# Altium PCB PCB2.PcbDoc (part 12 of 16)
Units mil, origin at the board's own origin, x right, y up, seen from the top; angles counter-clockwise.
Board outline 9200.79 x 4350.6 mil, 4 copper layers (Top Layer, Layer 1, Layer 2, Bottom Layer), stack 23.756 mil thick; 1249 components, 1355 nets, 4549 pads, 1316 vias.
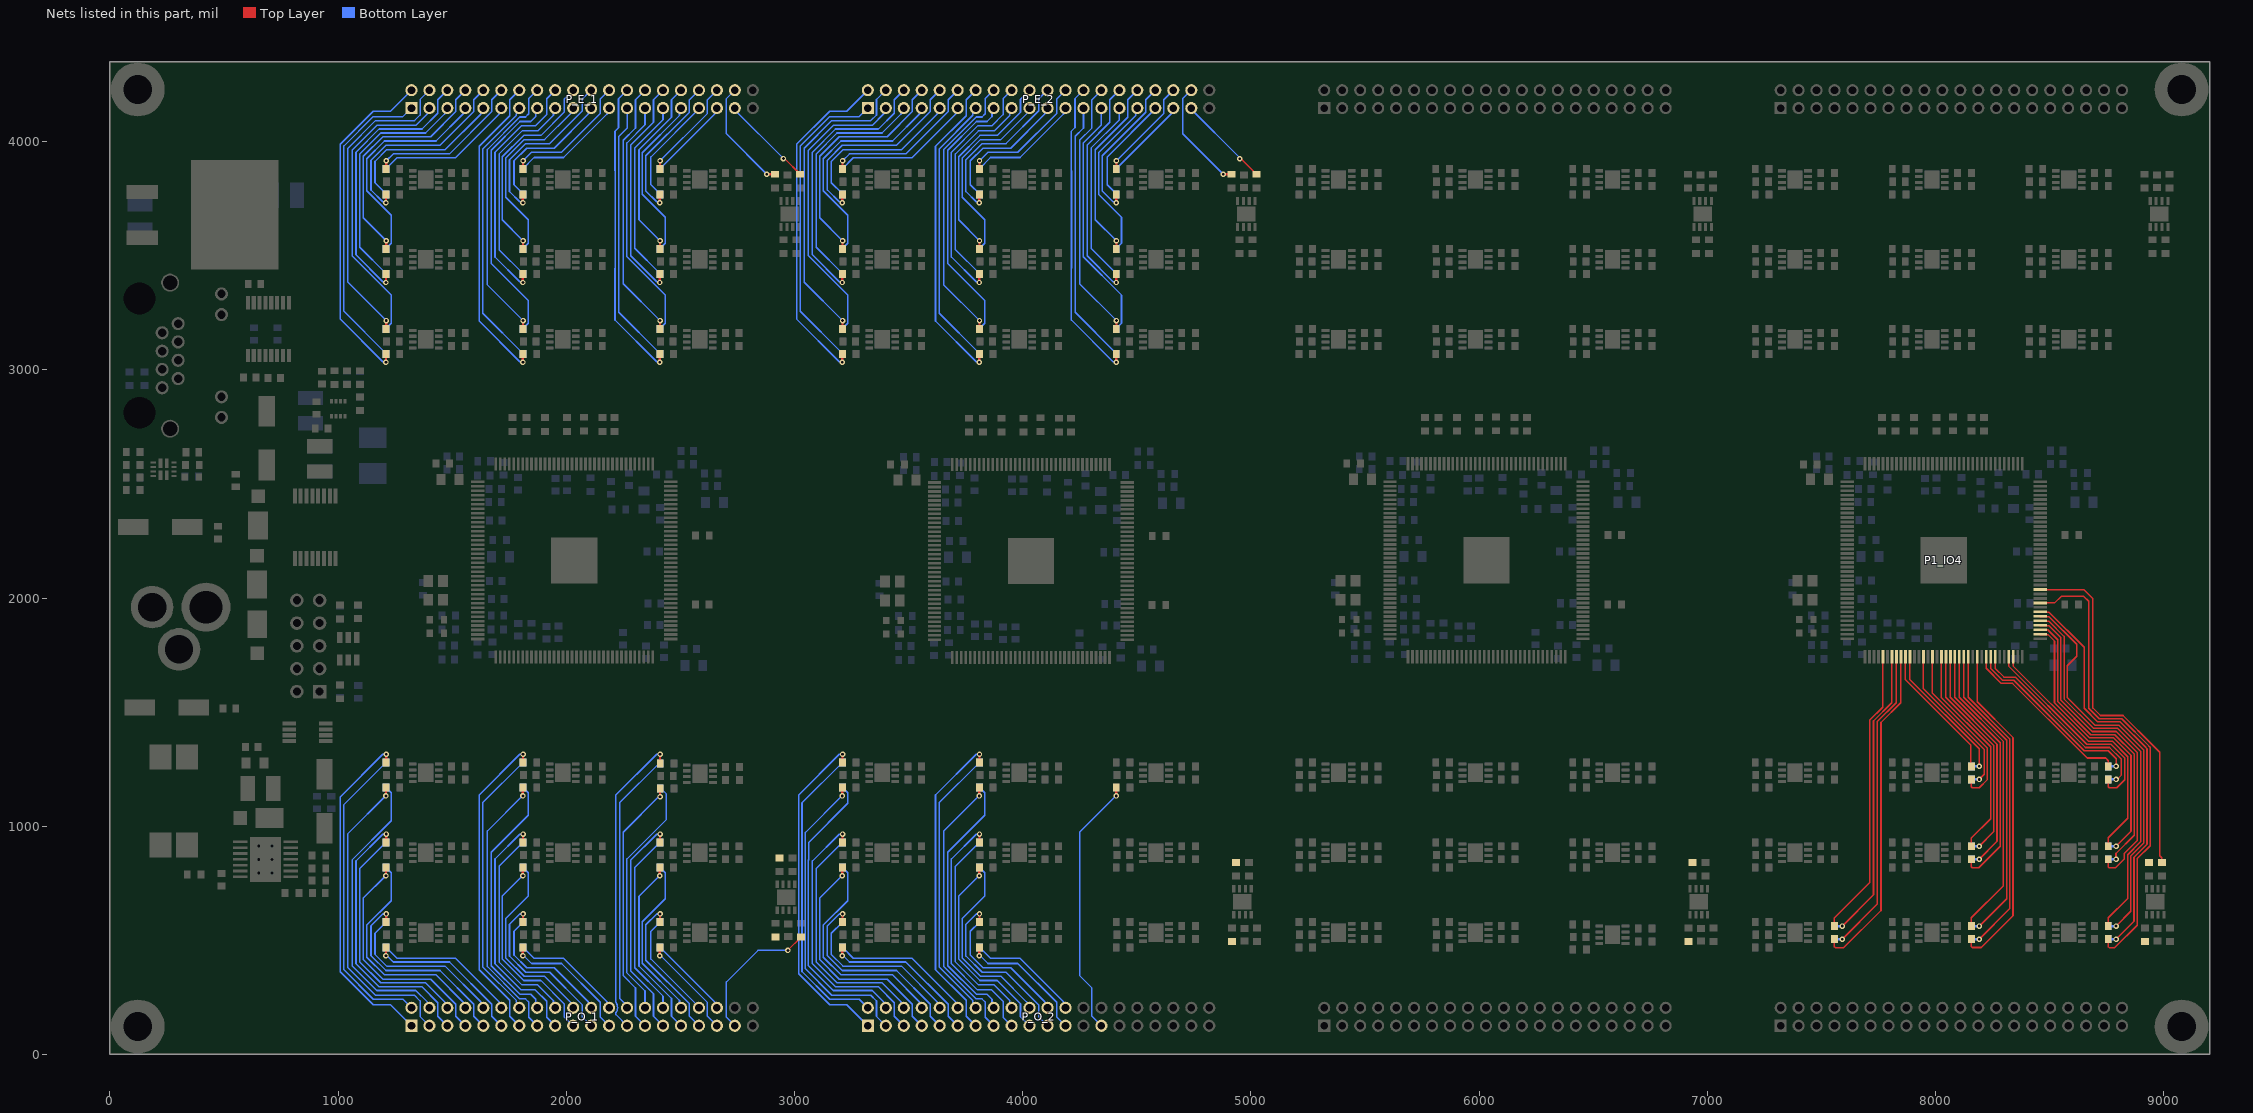
[diagram p14: the nets of this part, all layers, seen from the top]

## Via types
v1: diameter 24, hole 12, Top Layer to Bottom Layer, 1316 vias

## Nets (pads, with @x,y where several pads share a name; then routed paths per layer and width w, separated by ;. In a path a pad name is that pad's centre, name@x,y a point inside that pad or via, vN(x,y) a via of type N, cw(c..) or ccw(c..) an arc to the next point about the centre after c; other vN are vias at no path point) (continued)
V_F4_IN47: P1_IO4.45 R26_U_VoltageAmplifier244.1 | length 1453.4
  Top Layer w7: R26_U_VoltageAmplifier244.1@7556.63,504.72 7556.63,472.28 7560.73,468.18 7598.38,468.18 7760.97,630.78 7760.97,1454.47 7847.72,1541.22 P1_IO4.45@7847.72,1741.78
  Top Layer w10: R26_U_VoltageAmplifier244.1@7556.63,504.72 R26_U_VoltageAmplifier244.1@7557.09,505.18
V_F4_IN48: P1_IO4.41 R28_U_VoltageAmplifier244.1 | length 1267.4
  Top Layer w7: R28_U_VoltageAmplifier244.1@7557.09,562.18 7557.09,598.26 7712.16,753.33 7712.16,1465.05 7768.98,1521.87 P1_IO4.41@7768.98,1741.78
V_F4_IN49: P1_IO4.43 R26_U_VoltageAmplifier254.1 | length 1303.6
  Top Layer w7: v1(7591.09,562.18) 7728.27,699.37 7728.27,1461.37 7808.35,1541.45 P1_IO4.43@7808.35,1741.78
  Bottom Layer w10: R26_U_VoltageAmplifier254.1@7557.09,562.18 v1(7591.09,562.18)
V_F4_IN50: P1_IO4.44 R28_U_VoltageAmplifier254.1 | length 1368.7
  Top Layer w7: v1(7591.09,505.18) 7745.06,659.15 7745.06,1458.36 7828.03,1541.33 P1_IO4.44@7828.03,1741.78
  Bottom Layer w10: R28_U_VoltageAmplifier254.1@7557.09,505.18 v1(7591.09,505.18)
V_F4_IN51: P1_IO4.52 R26_U_VoltageAmplifier264.1 | length 757
  Top Layer w7: P1_IO4.52@7985.51,1741.78 7985.51,1584.06 8227.59,1341.99 8227.59,1204.55 8191.68,1168.64 8161.19,1168.64 8157.09,1172.74 R26_U_VoltageAmplifier264.1@8157.09,1205.18
V_F4_IN52: P1_IO4.46 R28_U_VoltageAmplifier264.1 | length 599.6
  Top Layer w7: P1_IO4.46@7867.4,1741.78 7867.4,1642.77 8154.65,1355.53 8154.65,1264.62 R28_U_VoltageAmplifier264.1@8157.09,1262.18
V_F4_IN53: P1_IO4.47 R26_U_VoltageAmplifier274.1 | length 639.5
  Top Layer w7: P1_IO4.47@7887.09,1741.78 7887.09,1642.89 8191.09,1338.89 v1(8191.09,1262.18)
  Bottom Layer w10: R26_U_VoltageAmplifier274.1@8157.09,1262.18 v1(8191.09,1262.18)
V_F4_IN54: P1_IO4.50 R28_U_VoltageAmplifier274.1 | length 690.7
  Top Layer w7: P1_IO4.50@7946.14,1741.78 7946.14,1603.63 8213.59,1336.19 8213.59,1227.68 v1(8191.09,1205.18)
  Bottom Layer w10: R28_U_VoltageAmplifier274.1@8157.09,1205.18 v1(8191.09,1205.18)
V_F4_IN55: P1_IO4.57 R26_U_VoltageAmplifier284.1 | length 1112.8
  Top Layer w7: P1_IO4.57@8083.94,1741.78 8083.94,1564.83 8283.59,1365.18 8283.59,912.45 8189.32,818.18 8160.73,818.18 8156.63,822.28 R26_U_VoltageAmplifier284.1@8156.63,854.72
  Top Layer w10: R26_U_VoltageAmplifier284.1@8156.63,854.72 R26_U_VoltageAmplifier284.1@8157.09,855.18
V_F4_IN56: P1_IO4.54 R28_U_VoltageAmplifier284.1 | length 954.4
  Top Layer w7: P1_IO4.54@8024.89,1741.78 8024.89,1564.49 8241.59,1347.79 8241.59,1032.76 8157.09,948.26 R28_U_VoltageAmplifier284.1@8157.09,912.18
V_F4_IN57: P1_IO4.55 R26_U_VoltageAmplifier294.1 | length 977.7
  Top Layer w7: P1_IO4.55@8044.57,1741.78 8044.57,1564.6 8255.59,1353.59 8255.59,976.68 v1(8191.09,912.18)
  Bottom Layer w10: R26_U_VoltageAmplifier294.1@8157.09,912.18 v1(8191.09,912.18)
V_F4_IN58: P1_IO4.56 R28_U_VoltageAmplifier294.1 | length 1038.2
  Top Layer w7: P1_IO4.56@8064.26,1741.78 8064.26,1564.72 8269.59,1359.39 8269.59,933.68 v1(8191.09,855.18)
  Bottom Layer w10: R28_U_VoltageAmplifier294.1@8157.09,855.18 v1(8191.09,855.18)
V_F4_IN59: P1_IO4.62 R26_U_VoltageAmplifier304.1 | length 1473.6
  Top Layer w7: R26_U_VoltageAmplifier304.1@8157.09,505.18 8157.09,472.74 8161.19,468.64 8200.73,468.64 8339.59,607.5 8339.59,1388.38 8182.37,1545.6 P1_IO4.62@8182.37,1741.78
V_F4_IN60: P1_IO4.58 R28_U_VoltageAmplifier304.1 | length 1318.1
  Top Layer w7: P1_IO4.58@8103.63,1741.78 8103.63,1564.94 8297.59,1370.98 8297.59,738.76 8157.09,598.26 R28_U_VoltageAmplifier304.1@8157.09,562.18
V_F4_IN61: P1_IO4.59 R26_U_VoltageAmplifier314.1 | length 1341.5
  Top Layer w7: P1_IO4.59@8123.31,1741.78 8123.31,1565.06 8311.59,1376.78 8311.59,682.68 v1(8191.09,562.18)
  Bottom Layer w10: R26_U_VoltageAmplifier314.1@8157.09,562.18 v1(8191.09,562.18)
V_F4_IN62: P1_IO4.60 R28_U_VoltageAmplifier314.1 | length 1401.9
  Top Layer w7: P1_IO4.60@8143,1741.78 8143,1565.17 8325.59,1382.58 8325.59,639.68 v1(8191.09,505.18)
  Bottom Layer w10: R28_U_VoltageAmplifier314.1@8157.09,505.18 v1(8191.09,505.18)
V_F4_IN63: P1_IO4.69 R26_U_VoltageAmplifier324.1 | length 931.2
  Top Layer w7: P1_IO4.69@8320.16,1741.78 8320.16,1702.13 8663.23,1359.06 8768.63,1359.06 8828.76,1298.93 8828.76,1203.09 8794.31,1168.64 8761.19,1168.64 8757.09,1172.74 R26_U_VoltageAmplifier324.1@8757.09,1205.18
V_F4_IN64: P1_IO4.64 R28_U_VoltageAmplifier324.1 | length 777.9
  Top Layer w7: P1_IO4.64@8221.74,1741.78 8221.74,1692.04 8288.18,1625.59 8337.3,1625.59 8645.83,1317.06 8646.23,1317.06 8664.56,1298.72 8745.79,1298.72 8757.09,1287.43 R28_U_VoltageAmplifier324.1@8757.09,1262.18
V_F4_IN65: P1_IO4.65 R26_U_VoltageAmplifier334.1 | length 835.8
  Top Layer w7: P1_IO4.65@8241.42,1741.66 8241.42,1692.15 8293.98,1639.59 8343.1,1639.59 8651.63,1331.06 8757.03,1331.06 8792.26,1295.83 v1@8792.26,1258.59
  Bottom Layer w10: R26_U_VoltageAmplifier334.1@8757.09,1262.18 v1(8791.09,1262.18)
V_F4_IN66: P1_IO4.66 R28_U_VoltageAmplifier334.1 | length 903.4
  Top Layer w7: P1_IO4.66@8261.11,1741.78 8261.11,1692.26 8299.78,1653.59 8348.9,1653.59 8657.43,1345.06 8762.83,1345.06 8814.76,1293.13 8814.76,1224.09 v1@8792.26,1201.59
  Bottom Layer w10: R28_U_VoltageAmplifier334.1@8757.09,1205.18 v1(8791.09,1205.18)
V_F4_IN67: P1_IO4.76 R26_U_VoltageAmplifier344.1 | length 1429.1
  Top Layer w7: P1_IO4.76@8457.48,1879.1 8496.09,1879.1 8549.46,1825.73 8549.46,1552.03 8686.43,1415.06 8791.82,1415.06 8884.76,1322.12 8884.76,938.05 8827.9,881.19 8827.9,857.07 8789.01,818.18 8760.73,818.18 8756.63,822.28 R26_U_VoltageAmplifier344.1@8756.63,854.72
  Top Layer w10: R26_U_VoltageAmplifier344.1@8756.63,854.72 R26_U_VoltageAmplifier344.1@8757.09,855.18
V_F4_IN68: P1_IO4.70 R28_U_VoltageAmplifier344.1 | length 1135.1
  Top Layer w7: P1_IO4.70@8339.85,1741.78 8339.85,1702.24 8669.03,1373.06 8774.42,1373.06 8842.76,1304.72 8842.76,1035.24 8757.09,949.56 R28_U_VoltageAmplifier344.1@8757.09,912.18
V_F4_IN69: P1_IO4.74 R26_U_VoltageAmplifier354.1 | length 1236.7
  Top Layer w7: P1_IO4.74@8457.48,1839.73 8493.02,1839.73 8521.46,1811.29 8521.46,1540.43 8674.83,1387.06 8780.22,1387.06 8856.76,1310.52 8856.76,977.85 v1(8791.09,912.18)
  Bottom Layer w10: R26_U_VoltageAmplifier354.1@8757.09,912.18 v1(8791.09,912.18)
V_F4_IN70: P1_IO4.75 R28_U_VoltageAmplifier354.1 | length 1324.5
  Top Layer w7: P1_IO4.75@8458.48,1860.42 8492.13,1860.42 8535.46,1817.09 8535.46,1546.23 8680.63,1401.06 8786.02,1401.06 8870.76,1316.32 8870.76,960.03 8791.09,880.36 v1(8791.09,855.18)
  Bottom Layer w10: R28_U_VoltageAmplifier354.1@8757.09,855.18 v1(8791.09,855.18)
V_F4_IN71: P1_IO4.81 R26_U_VoltageAmplifier364.1 | length 2049.5
  Top Layer w7: P1_IO4.81@8458.48,1978.53 8521.88,1978.53 8551.64,2008.3 8648.56,2008.3 8671.26,1985.59 8671.26,1516.86 8717.06,1471.06 8815.59,1471.06 8935.26,1351.39 8935.26,1351.09 8940.76,1345.59 8940.76,914.86 8883.9,857.99 8883.9,566.17 8785.91,468.18 8760.73,468.18 8756.63,472.28 R26_U_VoltageAmplifier364.1@8756.63,504.72
  Top Layer w10: R26_U_VoltageAmplifier364.1@8756.63,504.72 R26_U_VoltageAmplifier364.1@8757.09,505.18
V_F4_IN72: P1_IO4.77 R28_U_VoltageAmplifier364.1 | length 1662.5
  Top Layer w7: P1_IO4.77@8457.48,1898.79 8496.2,1898.79 8563.46,1831.53 8563.46,1557.82 8692.23,1429.06 8797.62,1429.06 8898.76,1327.92 8898.76,932.25 8841.9,875.39 8841.9,683.07 8757.09,598.26 R28_U_VoltageAmplifier364.1@8757.09,562.18
V_F4_IN73: P1_IO4.78 R26_U_VoltageAmplifier374.1 | length 1748.1
  Top Layer w7: P1_IO4.78@8457.48,1918.47 8497.02,1918.47 8618.48,1797.01 8618.48,1744.31 8577.46,1703.3 8577.46,1563.62 8698.02,1443.06 8803.42,1443.06 8912.76,1333.72 8912.76,926.45 8855.9,869.59 8855.9,626.99 v1(8791.09,562.18)
  Bottom Layer w10: R26_U_VoltageAmplifier374.1@8757.09,562.18 v1(8791.09,562.18)
V_F4_IN74: P1_IO4.79 R28_U_VoltageAmplifier374.1 | length 1798.5
  Top Layer w7: P1_IO4.79@8457.48,1938.16 8497.13,1938.16 8651.31,1783.98 8651.31,1517.01 8711.26,1457.06 8809.79,1457.06 8921.26,1345.59 8921.26,1345.02 8926.76,1339.52 8926.76,920.66 8869.9,863.79 8869.9,583.99 v1(8791.09,505.18)
  Bottom Layer w10: R28_U_VoltageAmplifier374.1@8757.09,505.18 v1(8791.09,505.18)
V_F4_IN75: P1_IO4.84 R26_U_VoltageAmplifier384.1 | length 1587.7
  Top Layer w7: P1_IO4.84@8457.48,2036.58 8650.2,2036.58 8689.78,1997 8689.78,1518.13 8722.86,1485.06 8821.39,1485.06 8949.26,1357.19 8949.26,1356.89 8982.45,1323.7 8982.45,870.64 8991.67,861.42 R26_U_VoltageAmplifier384.1@8991.67,841.42
  Top Layer w10: R26_U_VoltageAmplifier384.1@8991.67,841.42 R26_U_VoltageAmplifier384.1@8992.13,840.96
V_IN76_U_VoltageAmplifier_1xFPGA1: R28_U_VoltageAmplifier381.1 | length 0.6
  Top Layer w10: R28_U_VoltageAmplifier381.1@2934.21,861.88 R28_U_VoltageAmplifier381.1@2934.67,861.42
V_IN76_U_VoltageAmplifier_1xFPGA2: R28_U_VoltageAmplifier382.1 | length 0.6
  Top Layer w10: R28_U_VoltageAmplifier382.1@4934.21,841.88 R28_U_VoltageAmplifier382.1@4934.67,841.42
V_IN76_U_VoltageAmplifier_1xFPGA3: R28_U_VoltageAmplifier383.1 | length 0.6
  Top Layer w10: R28_U_VoltageAmplifier383.1@6934.21,841.88 R28_U_VoltageAmplifier383.1@6934.67,841.42
V_IN76_U_VoltageAmplifier_1xFPGA4: R28_U_VoltageAmplifier384.1 | length 0.6
  Top Layer w10: R28_U_VoltageAmplifier384.1@8934.21,841.88 R28_U_VoltageAmplifier384.1@8934.67,841.42
V_OUT1: P_E_1.2 R27_U_VoltageAmplifier11.2 | length 1492.2
  Top Layer w10: v1(1209.63,3032.64) 1209.63,3068.72 R27_U_VoltageAmplifier11.2@1210.09,3069.18
  Bottom Layer w7: v1(1209.63,3032.64) 1206.38,3035.89 1196.03,3035.89 1009,3222.92 1009,3988.52 1153.96,4133.48 1229.15,4133.48 P_E_1.2@1321.26,4225.59
V_OUT2: P_E_1.4 R29_U_VoltageAmplifier11.2 | length 1364.1
  Top Layer w10: R29_U_VoltageAmplifier11.2@1210.09,3179.18 1210.55,3179.64 v1(1210.55,3215.72)
  Bottom Layer w7: v1(1210.55,3215.72) 1042.78,3383.49 1042.78,3971.19 1163.71,4092.12 1334.53,4092.12 1359.19,4116.78 1359.19,4184.78 P_E_1.4@1400,4225.59
V_OUT3: P_E_1.3 R27_U_VoltageAmplifier21.2 | length 1289.1
  Bottom Layer w7: R27_U_VoltageAmplifier21.2@1210.09,3179.18 1210.09,3181.68 1233.05,3204.64 1233.05,3327.4 1060.97,3499.47 1060.97,3962.66 1169.36,4071.05 1340.45,4071.05 1391.17,4121.76 1391.17,4138.02 P_E_1.3@1400,4146.85
V_OUT4: P_E_1.1 R29_U_VoltageAmplifier21.2 | length 1352.6
  Bottom Layer w7: R29_U_VoltageAmplifier21.2@1210.09,3069.18 1210.09,3071.68 1025.46,3256.31 1025.46,3980.72 1154.34,4109.61 1284.01,4109.61 P_E_1.1@1321.26,4146.85
V_OUT5: P_E_1.6 R27_U_VoltageAmplifier31.2 | length 1216.1
  Top Layer w10: v1(1209.63,3382.64) 1209.63,3418.72 R27_U_VoltageAmplifier31.2@1210.09,3419.18
  Bottom Layer w7: v1(1209.63,3382.64) 1206.38,3385.89 1196.03,3385.89 1078.3,3503.62 1078.3,3953.87 1179.54,4055.11 1367.52,4055.11 1437.07,4124.67 1437.07,4183.93 P_E_1.6@1478.74,4225.59
V_OUT6: P_E_1.8 R29_U_VoltageAmplifier31.2 | length 1046.1
  Top Layer w10: R29_U_VoltageAmplifier31.2@1210.09,3529.18 1210.55,3529.64 v1(1210.55,3565.72)
  Bottom Layer w7: v1(1210.55,3565.72) 1110.35,3665.91 1110.35,3935.68 1196.37,4021.69 1406.01,4021.69 1515.81,4131.49 1515.81,4183.93 P_E_1.8@1557.48,4225.59
V_OUT7: P_E_1.7 R27_U_VoltageAmplifier41.2 | length 982.6
  Bottom Layer w7: R27_U_VoltageAmplifier41.2@1210.09,3529.18 1210.09,3531.68 1233.05,3554.64 1233.05,3677.4 1125.95,3784.5 1125.95,3925.28 1203.33,4002.66 1429.28,4002.66 1548.65,4122.04 1548.65,4138.02 P_E_1.7@1557.48,4146.85
V_OUT8: P_E_1.5 R29_U_VoltageAmplifier41.2 | length 1049.9
  Bottom Layer w7: R29_U_VoltageAmplifier41.2@1210.09,3419.18 1210.09,3421.68 1094.76,3537.01 1094.76,3946.07 1186.31,4037.63 1383.33,4037.63 1466.43,4120.73 1466.43,4122.05 1478.74,4134.36 P_E_1.5@1478.74,4146.85
V_OUT9: P_E_1.10 R27_U_VoltageAmplifier51.2 | length 905.7
  Top Layer w10: v1(1209.63,3732.64) 1209.63,3768.72 R27_U_VoltageAmplifier51.2@1210.09,3769.18
  Bottom Layer w7: v1(1209.63,3732.64) 1206.38,3735.89 1196.03,3735.89 1144.14,3787.78 1144.14,3918.35 1209.43,3983.64 1446.7,3983.64 1594.56,4131.49 1594.56,4183.93 P_E_1.10@1636.22,4225.59
V_OUT10: P_E_1.12 R29_U_VoltageAmplifier51.2 | length 700.2
  Top Layer w10: R29_U_VoltageAmplifier51.2@1210.09,3879.18 1210.55,3879.64 v1(1210.55,3915.72)
  Bottom Layer w7: v1(1210.55,3915.72) 1240.93,3946.11 1487.91,3946.11 1673.3,4131.49 1673.3,4183.93 P_E_1.12@1714.96,4225.59
V_OUT11: P_E_1.11 R27_U_VoltageAmplifier61.2 | length 627.1
  Bottom Layer w7: R27_U_VoltageAmplifier61.2@1210.09,3879.18 1210.09,3881.68 1257.9,3929.5 1514.49,3929.5 1706.13,4121.14 1706.13,4138.02 P_E_1.11@1714.96,4146.85
V_OUT12: P_E_1.9 R29_U_VoltageAmplifier61.2 | length 744.5
  Bottom Layer w7: R29_U_VoltageAmplifier61.2@1210.09,3769.18 1210.09,3771.68 1161.46,3820.3 1161.46,3913.15 1212.42,3964.11 1468.64,3964.11 1624.59,4120.05 1624.59,4122.73 1636.22,4134.36 P_E_1.9@1636.22,4146.85
V_OUT13: P_E_1.14 R27_U_VoltageAmplifier71.2 | length 1387.9
  Top Layer w10: v1(1809.63,3032.64) 1809.63,3068.72 R27_U_VoltageAmplifier71.2@1810.09,3069.18
  Bottom Layer w7: P_E_1.14@1793.7,4225.59 1752.04,4183.93 1752.04,4113.87 1617.95,3979.78 1617.95,3213.97 1796.03,3035.89 1806.38,3035.89 v1(1809.63,3032.64)
V_OUT14: P_E_1.16 R29_U_VoltageAmplifier71.2 | length 1216.5
  Top Layer w10: R29_U_VoltageAmplifier71.2@1810.09,3179.18 1810.55,3179.64 v1(1810.55,3215.72)
  Bottom Layer w7: v1(1810.55,3215.72) 1654.17,3372.1 1654.17,3965.78 1796.31,4107.93 1821.41,4107.93 1835.37,4121.88 1835.37,4188.52 P_E_1.16@1872.44,4225.59
V_OUT15: P_E_1.15 R27_U_VoltageAmplifier81.2 | length 1145
  Bottom Layer w7: R27_U_VoltageAmplifier81.2@1810.09,3179.18 1810.09,3181.68 1833.05,3204.64 1833.05,3303.7 1671.17,3465.57 1671.17,3962.17 1797.02,4088.02 1843.69,4088.02 1865.44,4109.78 P_E_1.15@1865.44,4139.85
V_OUT16: P_E_1.13 R29_U_VoltageAmplifier81.2 | length 1216.6
  Bottom Layer w7: P_E_1.13@1793.7,4146.85 1793.7,4134.36 1781.41,4122.07 1781.41,4115.19 1634.21,3967.99 1634.21,3247.56 1810.09,3071.68 R29_U_VoltageAmplifier81.2@1810.09,3069.18
V_OUT17: P_E_1.18 R27_U_VoltageAmplifier91.2 | length 1081.8
  Top Layer w10: v1(1809.63,3382.64) 1809.63,3418.72 R27_U_VoltageAmplifier91.2@1810.09,3419.18
  Bottom Layer w7: v1(1809.63,3382.64) 1806.38,3385.89 1796.03,3385.89 1687.43,3494.49 1687.43,3953.97 1802.17,4068.71 1864.03,4068.71 1913.78,4118.46 1913.78,4188.19 P_E_1.18@1951.18,4225.59
V_OUT18: P_E_1.20 R29_U_VoltageAmplifier91.2 | length 907.5
  Top Layer w10: R29_U_VoltageAmplifier91.2@1810.09,3529.18 1810.55,3529.64 v1(1810.55,3565.72)
  Bottom Layer w7: v1(1810.55,3565.72) 1719.17,3657.1 1719.17,3933.55 1812.88,4027.26 1888.55,4027.26 1990.07,4128.79 1990.07,4185.74 P_E_1.20@2029.92,4225.59
V_OUT19: P_E_1.19 R27_U_VoltageAmplifier101.2 | length 842.6
  Bottom Layer w7: R27_U_VoltageAmplifier101.2@1810.09,3529.18 1810.09,3531.68 1833.05,3554.64 1833.05,3657.37 1734.74,3755.68 1734.74,3928.51 1815.05,4008.82 1904.49,4008.82 2017,4121.34 2017,4121.45 2029.92,4134.36 P_E_1.19@2029.92,4146.85
V_OUT20: P_E_1.17 R29_U_VoltageAmplifier101.2 | length 913.3
  Bottom Layer w7: R29_U_VoltageAmplifier101.2@1810.09,3419.18 1810.09,3421.68 1705.17,3526.6 1705.17,3945.95 1806.03,4046.81 1874.79,4046.81 1943.79,4115.81 1943.79,4139.46 P_E_1.17@1951.18,4146.85
V_OUT21: P_E_1.22 R27_U_VoltageAmplifier111.2 | length 769.6
  Top Layer w10: v1(1809.63,3732.64) 1809.63,3768.72 R27_U_VoltageAmplifier111.2@1810.09,3769.18
  Bottom Layer w7: v1(1809.63,3732.64) 1806.38,3735.89 1796.03,3735.89 1751,3780.92 1751,3920.31 1822.13,3991.43 1926.94,3991.43 2070.58,4135.08 2070.58,4187.51 P_E_1.22@2108.66,4225.59
V_OUT22: P_E_1.24 R29_U_VoltageAmplifier111.2 | length 579.5
  Top Layer w10: R29_U_VoltageAmplifier111.2@1810.09,3879.18 1810.55,3879.64 v1(1810.55,3915.72)
  Bottom Layer w7: v1(1810.55,3915.72) 1847.62,3952.8 1978.69,3952.8 2148.68,4122.79 2148.68,4186.87 P_E_1.24@2187.4,4225.59
V_OUT23: P_E_1.23 R27_U_VoltageAmplifier121.2 | length 499.7
  Bottom Layer w7: R27_U_VoltageAmplifier121.2@1810.09,3879.18 1810.09,3881.68 1858.67,3930.26 1988,3930.26 2178.57,4120.83 2178.57,4138.02 P_E_1.23@2187.4,4146.85
V_OUT24: P_E_1.21 R29_U_VoltageAmplifier121.2 | length 605.2
  Bottom Layer w7: R29_U_VoltageAmplifier121.2@1810.09,3769.18 1810.09,3771.68 1770.59,3811.18 1770.59,3916.07 1825.99,3971.47 1947.5,3971.47 2096.56,4120.52 2096.56,4122.26 2108.66,4134.36 P_E_1.21@2108.66,4146.85
V_OUT25: P_E_1.26 R27_U_VoltageAmplifier131.2 | length 1339
  Top Layer w10: v1(2409.63,3032.64) 2409.63,3068.72 R27_U_VoltageAmplifier131.2@2410.09,3069.18
  Bottom Layer w7: P_E_1.26@2266.14,4225.59 2228.68,4188.13 2228.68,4060.84 2213.43,4045.59 2213.43,3871.66 2213.59,3871.5 2213.59,3445.86 2213.43,3445.71 2213.43,3218.49 2396.03,3035.89 2406.38,3035.89 v1(2409.63,3032.64)
V_OUT26: P_E_1.28 R29_U_VoltageAmplifier131.2 | length 1153.1
  Top Layer w10: R29_U_VoltageAmplifier131.2@2410.09,3179.18 2410.55,3179.64 v1(2410.55,3215.72)
  Bottom Layer w7: P_E_1.28@2344.88,4225.59 2303.22,4183.93 2303.22,4059.79 2249.17,4005.74 2249.17,3377.1 v1(2410.55,3215.72)
V_OUT27: P_E_1.27 R27_U_VoltageAmplifier141.2 | length 1079.5
  Bottom Layer w7: P_E_1.27@2344.88,4146.85 2344.88,4073.49 2265.48,3994.09 2265.48,3494.97 2433.05,3327.4 2433.05,3204.64 2410.09,3181.68 R27_U_VoltageAmplifier141.2@2410.09,3179.18
V_OUT28: P_E_1.25 R29_U_VoltageAmplifier141.2 | length 1167.4
  Bottom Layer w7: P_E_1.25@2266.14,4146.85 2266.14,4059.05 2229.74,4022.66 2229.74,3252.02 2410.09,3071.68 R29_U_VoltageAmplifier141.2@2410.09,3069.18
V_OUT29: P_E_1.30 R27_U_VoltageAmplifier151.2 | length 996.8
  Top Layer w10: v1(2409.63,3382.64) 2409.63,3418.72 R27_U_VoltageAmplifier151.2@2410.09,3419.18
  Bottom Layer w7: v1(2409.63,3382.64) 2406.38,3385.89 2396.03,3385.89 2282.57,3499.35 2282.57,3985.54 2381.96,4084.93 2381.96,4183.93 P_E_1.30@2423.62,4225.59
V_OUT30: P_E_1.32 R29_U_VoltageAmplifier151.2 | length 811
  Top Layer w10: R29_U_VoltageAmplifier151.2@2410.09,3529.18 2410.55,3529.64 v1(2410.55,3565.72)
  Bottom Layer w7: v1(2410.55,3565.72) 2318.31,3657.96 2318.31,3963.79 2460.7,4106.18 2460.7,4183.93 P_E_1.32@2502.36,4225.59
V_OUT31: P_E_1.31 R27_U_VoltageAmplifier161.2 | length 739.3
  Bottom Layer w7: R27_U_VoltageAmplifier161.2@2410.09,3529.18 2410.09,3531.68 2433.05,3554.64 2433.05,3668.82 2332.31,3769.56 2332.31,3951.38 2495.86,4114.93 2495.86,4140.34 P_E_1.31@2502.36,4146.85
V_OUT32: P_E_1.29 R29_U_VoltageAmplifier161.2 | length 824.8
  Bottom Layer w7: R29_U_VoltageAmplifier161.2@2410.09,3419.18 2410.09,3421.68 2299.66,3532.1 2299.66,3971.56 2423.62,4095.52 P_E_1.29@2423.62,4146.85
V_OUT33: P_E_1.34 R27_U_VoltageAmplifier171.2 | length 657.3
  Top Layer w10: v1(2409.63,3732.64) 2409.63,3768.72 R27_U_VoltageAmplifier171.2@2410.09,3769.18
  Bottom Layer w7: v1(2409.63,3732.64) 2406.38,3735.89 2396.03,3735.89 2348.6,3783.31 2348.6,3938.15 2539.44,4128.99 2539.44,4183.93 P_E_1.34@2581.1,4225.59
V_OUT34: P_E_1.36 R29_U_VoltageAmplifier171.2 | length 449.9
  Top Layer w10: R29_U_VoltageAmplifier171.2@2410.09,3879.18 2410.55,3879.64 v1(2410.55,3915.72)
  Bottom Layer w7: v1(2410.55,3915.72) 2618.18,4123.35 2618.18,4183.93 P_E_1.36@2659.84,4225.59
V_OUT35: P_E_1.35 R27_U_VoltageAmplifier181.2 | length 357.4
  Bottom Layer w7: R27_U_VoltageAmplifier181.2@2410.09,3879.18 2410.09,3881.68 2651.01,4122.61 2651.01,4125.53 2656.92,4131.44 P_E_1.35@2659.84,4131.44
V_OUT36: P_E_1.33 R29_U_VoltageAmplifier181.2 | length 481.2
  Bottom Layer w7: R29_U_VoltageAmplifier181.2@2410.09,3769.18 2410.09,3771.68 2370.59,3811.18 2370.59,3932.95 2581.1,4143.46 P_E_1.33@2581.1,4146.85
V_OUT37: P_E_1.38 R27_U_VoltageAmplifier191.2 | length 493.7
  Top Layer w10: v1(2878.31,3857.22) 2914.39,3857.22 R27_U_VoltageAmplifier191.2@2914.85,3856.76
  Bottom Layer w7: P_E_1.38@2738.58,4225.59 2701.51,4188.52 2701.51,4034.02 v1(2878.31,3857.22)
V_OUT38: P_E_1.37 R29_U_VoltageAmplifier191.2 | length 411.5
  Top Layer w7: v1(2951.26,3925.59) 2956.02,3925.59 R29_U_VoltageAmplifier191.2@3024.85,3856.76
  Bottom Layer w7: P_E_1.37@2738.58,4146.85 2738.58,4138.27 v1(2951.26,3925.59)
V_OUT39: P_O_1.3 R27_U_VoltageAmplifier201.2 | length 1364.1
  Top Layer w10: v1(1209.63,1132.64) 1209.63,1168.72 R27_U_VoltageAmplifier201.2@1210.09,1169.18
  Bottom Layer w7: v1@1210.55,1135.46 1042.78,967.7 1042.78,379.99 1163.71,259.06 1334.53,259.06 1359.19,234.4 1359.19,166.4 P_O_1.3@1400,125.59
V_OUT40: P_O_1.1 R29_U_VoltageAmplifier201.2 | length 1492.2
  Top Layer w10: R29_U_VoltageAmplifier201.2@1210.09,1279.18 1210.55,1279.64 v1(1210.55,1315.72)
  Bottom Layer w7: v1@1209.63,1318.54 1206.38,1315.29 1196.03,1315.29 1009,1128.26 1009,362.66 1153.96,217.7 1229.15,217.7 P_O_1.1@1321.26,125.59
V_OUT41: P_O_1.2 R27_U_VoltageAmplifier211.2 | length 1352.6
  Bottom Layer w7: R27_U_VoltageAmplifier211.2@1210.09,1282 1210.09,1279.5 1025.46,1094.87 1025.46,370.46 1154.34,241.58 1284.01,241.58 P_O_1.2@1321.26,204.33
V_OUT42: P_O_1.4 R29_U_VoltageAmplifier211.2 | length 1289.1
  Bottom Layer w7: R29_U_VoltageAmplifier211.2@1210.09,1172 1210.09,1169.5 1233.05,1146.54 1233.05,1023.78 1060.97,851.71 1060.97,388.53 1169.36,280.14 1340.45,280.14 1391.17,229.42 1391.17,213.16 P_O_1.4@1400,204.33
V_OUT43: P_O_1.7 R27_U_VoltageAmplifier221.2 | length 1046.1
  Top Layer w10: v1(1209.63,782.64) 1209.63,818.72 R27_U_VoltageAmplifier221.2@1210.09,819.18
  Bottom Layer w7: v1@1210.55,785.46 1110.35,685.27 1110.35,415.51 1196.37,329.49 1406.01,329.49 1515.81,219.69 1515.81,167.26 P_O_1.7@1557.48,125.59
V_OUT44: P_O_1.5 R29_U_VoltageAmplifier221.2 | length 1216.1
  Top Layer w10: R29_U_VoltageAmplifier221.2@1210.09,929.18 1210.55,929.64 v1(1210.55,965.72)